# Altium PCB AGRSHUB1_PCB.PcbDoc (part 2 of 2)
Units mil, origin at the board's own origin, x right, y up, seen from the top; angles counter-clockwise.
Board outline 4400 x 3450 mil, 2 copper layers (Top Layer, Bottom Layer); 174 components, 133 nets, 585 pads, 134 vias.
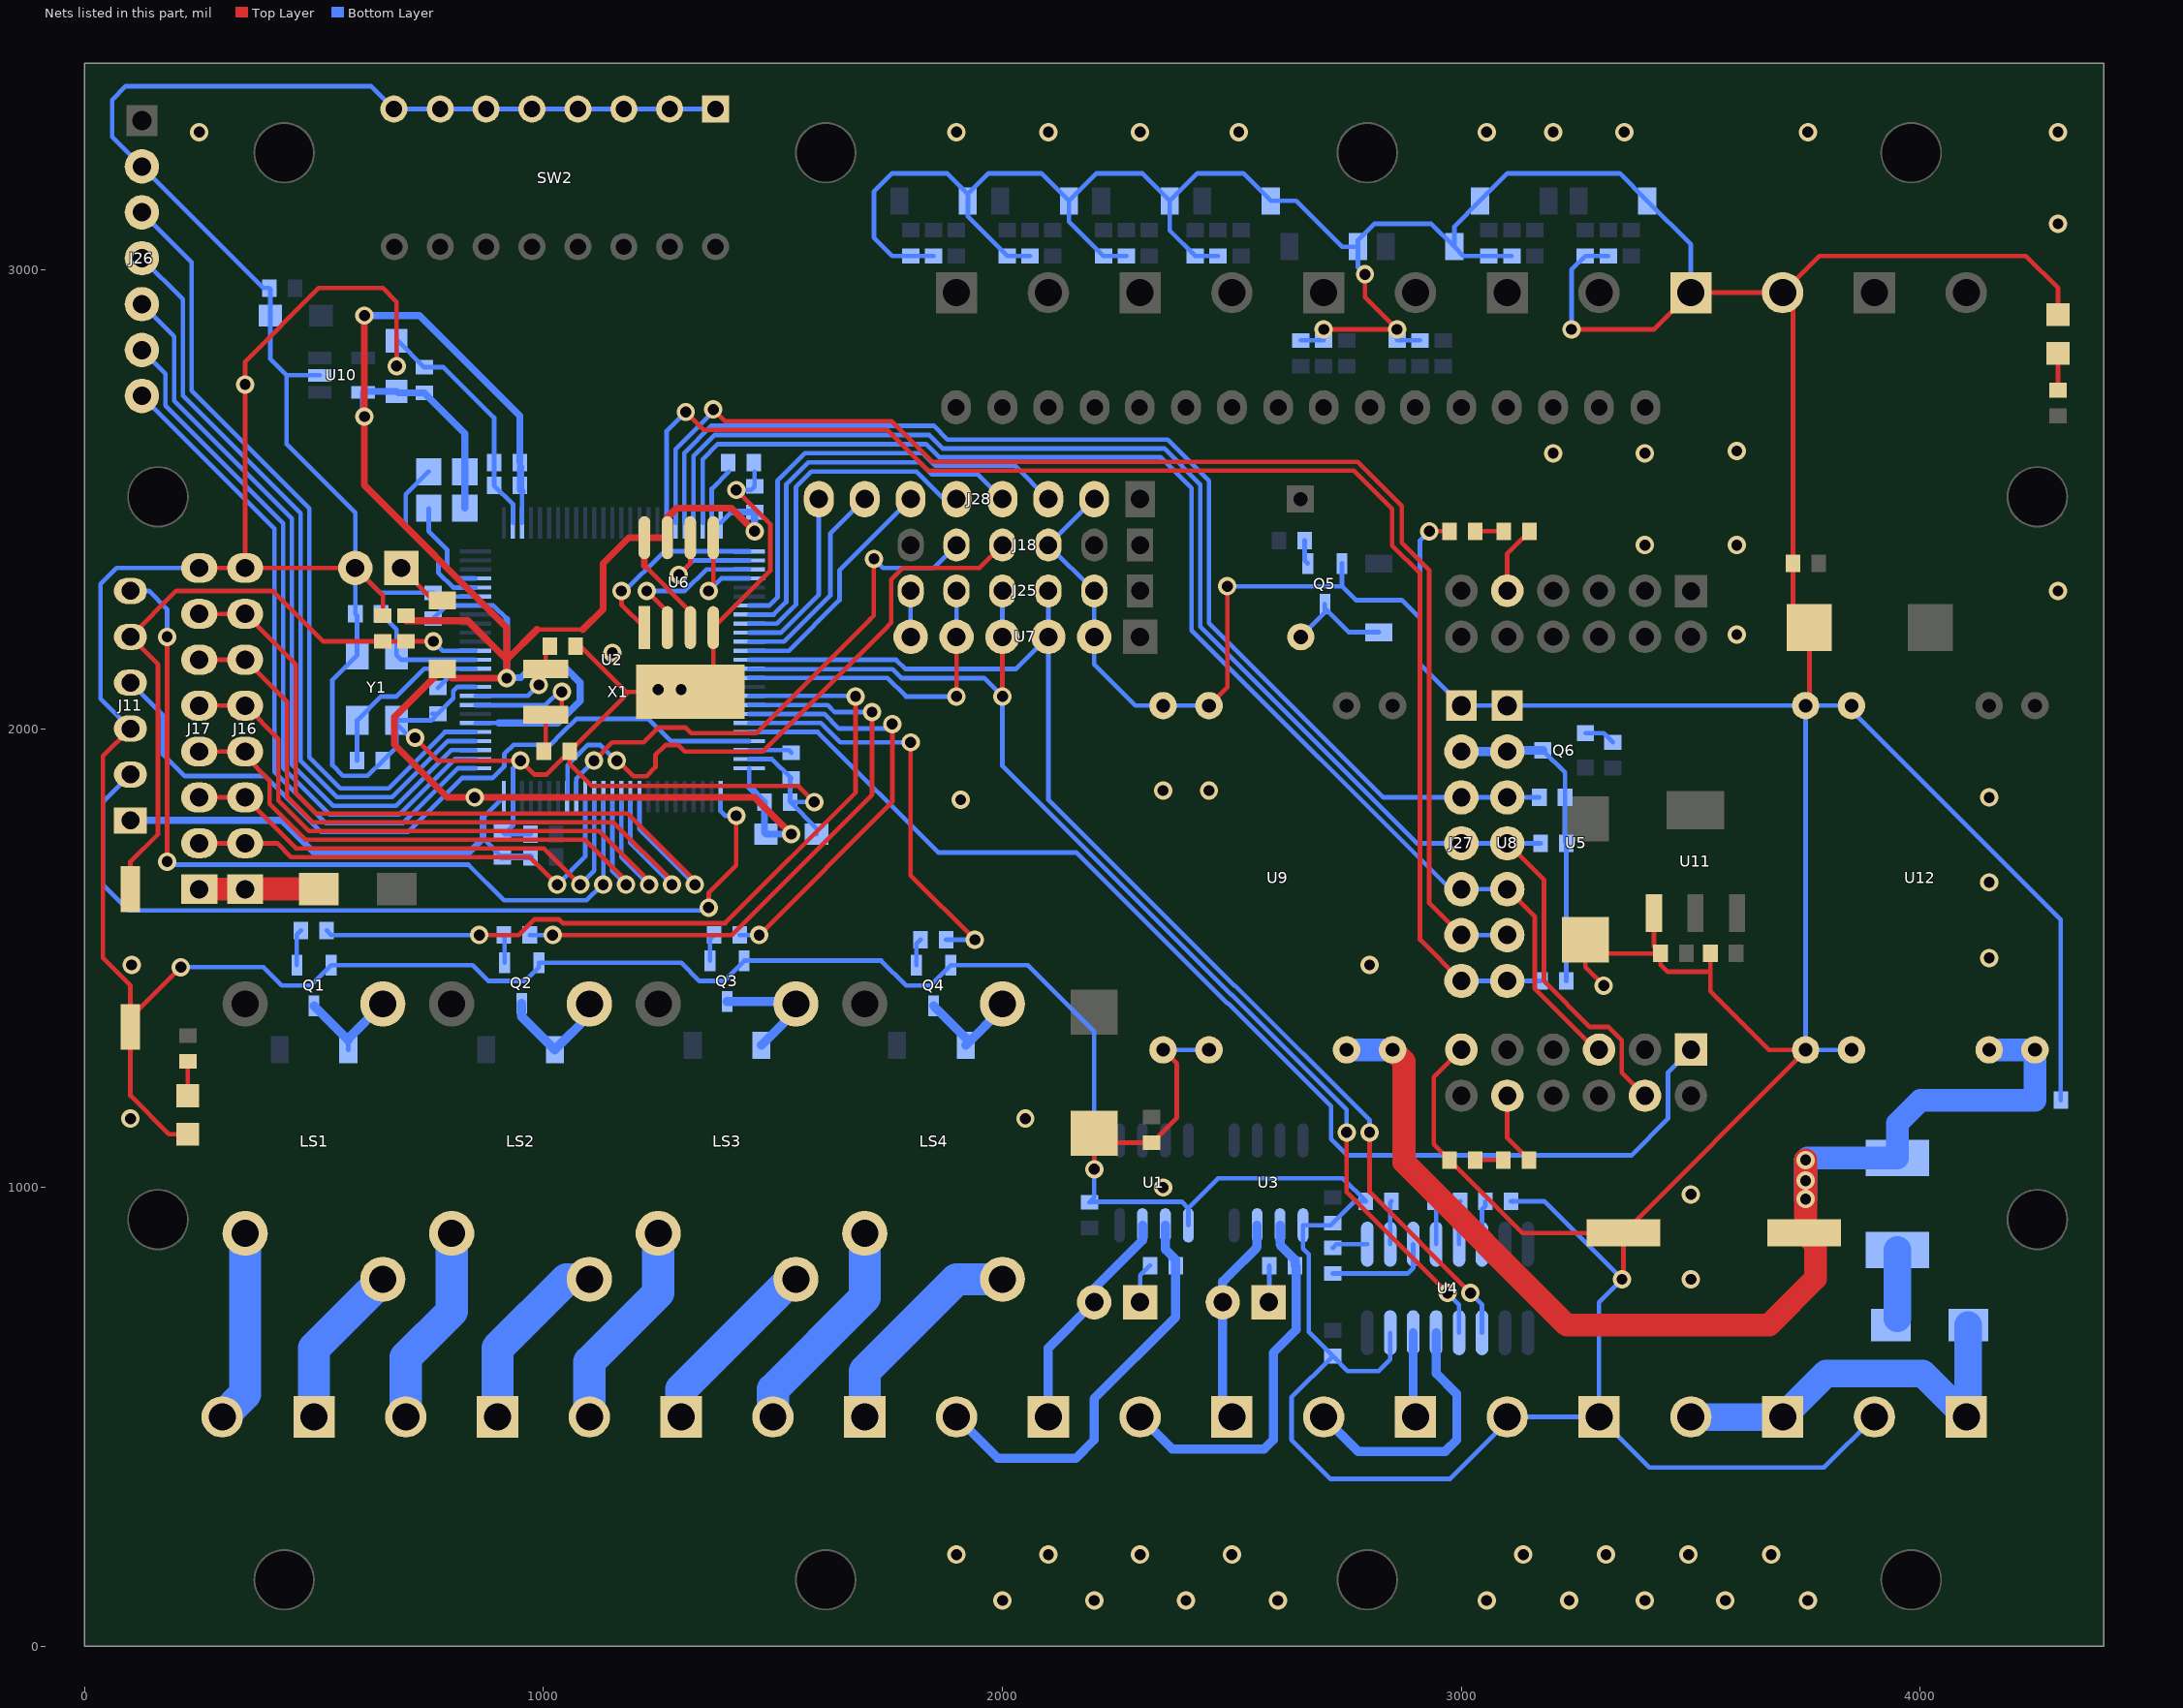
[diagram p2: the nets of this part, all layers, seen from the top]

## Via types
v1: diameter 40, hole 24, Top Layer to Bottom Layer, 134 vias

## Nets (pads, with @x,y where several pads share a name; then routed paths per layer and width w, separated by ;. In a path a pad name is that pad's centre, name@x,y a point inside that pad or via, vN(x,y) a via of type N, cw(c..) or ccw(c..) an arc to the next point about the centre after c; other vN are vias at no path point) (continued)
GND: C1.1 C2.1 C3.1 C4.1 C5.1 C6.1 C7.1 C8.1 C9.1 C10.1 C11.2 C12.2 C13.2 C14.1 C15.2 C16.1 C17.1 C18.1 C19.1 C20.1 C21.1 C22.1 C23.1 C24.2 C26.2 C28.1 C29.1 C30.2 C31.1 C32.2 C33.2 C34.1 C35.1 C36.2 C37.2 C38.1 C39.2 C40.2 C41.1 C42.1 C43.2 D1.1 D2.1 D5.1 D6.1 D9.1 D10.1 D12.1 D13.1 J11.3 J16.8 J17.8 J18.3 J23.1 J23.2 J25.2 J26.2 J27.1 J28.2 J30.2 J32.1 J32.2 JP1.2 LED1.2 LED2.2 LED3.2 LED4.2 Q1.2 Q2.2 Q3.2 Q4.2 Q5.2 R3.1 R4.1 R7.2 R13.1 R14.1 R18.1 R19.1 R23.1 R24.1 SW1.1 SW2.1 SW2.2 SW2.3 SW2.4 SW2.5 SW2.6 SW2.7 SW2.8 U1.5 U2.10 U2.20 U2.27 U2.74 U2.99 U3.5 U4.15 U5.23 U6.4 U7.2 U8.1 U9.1 U9.2 U9.7 U9.8 U10.2 U11.1 U12.1 U12.2 U12.7 U12.8 X1.3 Y1.2 Y1.4 | length 30323.8
  Top Layer w10: J11.3@100,2000 40,1940 40,1500 100,1440 SW1.1@100,1370 ; v1(210,1480) SW1.1@100,1370 ; LED3.2@225,1116 184,1116 100,1200 SW1.1@100,1350 SW1.1@100,1370 ; J17.8@250,2350 J16.8@350,2350 ; C19.1@650,2246 650,2290 JP1.2@590,2350 J16.8@350,2350 ; v1(680,2790) 680,2930 650,2960 510,2960 350,2800 J16.8@350,2350 ; v1(720,1980) 770,1930 v1(950,1930) 980,1900 1006.88,1900 C12.2@1056.88,1950 ; C15.2@1070,2180 1080,2180 1180,2080 ; v1(1420,2520) 1494,2446 1494,2344 U6.4@1370,2220 1370,2130 X1.3@1320,2080 1180,2080 ; v1(1590,1840) 1555,1875 1105,1875 1056.88,1923.12 C12.2@1056.88,1950 ; v1(2200,1040) C30.2@2200,1118.23 2220.79,1097.44 C31.1@2325,1097.44 2380,1152.44 2380,1270 U9.1@2350,1300 ; U9.7@2450,2050 2490,2090 v1(2490,2310) ; v1(2700,2870) v1(2860,2870) 2790,2940 v1(2790,2990) ; v1(2930,2430) LED1.2@2974,2430 ; U5.23@3000,1300.39 2940,1240.39 2940,1094 LED2.2@2974,1060 3133.01,900.99 C43.2@3353.14,900.99 ; v1(3240,2870) 3420,2870 J32.1@3500,2950 J32.2@3700,2950 ; v1(3310,1440) 3270,1480 C37.2@3270,1540 3300,1510 C38.1@3434,1510 ; v1(3350,800) 3353.14,803.14 C43.2@3353.14,900.99 ; U11.1@3419.45,1597.8 3419.45,1524.55 C38.1@3434,1510 ; 3542.44,1470 3450,1470 3434,1486 C38.1@3434,1510 ; C42.1@3542.44,1510 3542.44,1427.56 3670,1300 U12.1@3750,1300 3750,1297.85 C43.2@3353.14,900.99 ; U12.8@3750,2050 3758.23,2058.23 C39.2@3758.23,2220 3722.44,2255.79 C41.1@3722.44,2360 3722.44,2927.56 J32.2@3700,2950 ; LED4.2@4300,2902 4300,2960 4230,3030 3780,3030 J32.2@3700,2950 ; C12.2@1056.88,1950 1180,2073.12 1180,2080
  Bottom Layer w10: J11.3@100,2000 35,2065 35,2315 70,2350 J17.8@250,2350 ; v1(210,1480) 390,1480 430,1440 493.11,1440 Q1.2@537.4,1484.29 845.71,1484.29 880,1450 960,1450 990,1480 Q2.2@990,1490 1300,1490 1340,1450 1393.11,1450 Q3.2@1437.4,1494.29 1735.71,1494.29 1790,1440 1843.11,1440 Q4.2@1887.4,1484.29 2055.71,1484.29 2200,1340 v1(2200,1040) 2200,977.56 C1.1@2191.32,968.88 ; U10.2@512.76,2770 440,2770 ; v1(680,2790) C33.2@680,2845.07 682.49,2845.07 C35.1@740,2787.56 782.44,2787.56 892.44,2677.56 C10.1@892.44,2580 C2.1@892.44,2530 933.46,2488.98 U2.27@933.46,2448.23 ; v1(720,1980) 720,1970 Y1.4@680,2010 ; C7.1@757.56,2032.44 C7.1@770,2032.44 ; U2.10@851.77,2090.94 812.68,2090.94 803.32,2081.59 803.32,2065.76 C7.1@770,2032.44 ; U2.20@851.77,2287.8 768.2,2287.8 C3.1@760,2296 644,2296 JP1.2@590,2350 ; C4.1@910,1775 C4.1@915,1770 ; v1(950,1930) 933.46,1913.46 U2.99@933.46,1851.77 933.46,1788.46 C4.1@915,1770 ; R7.2@971.56,1770 C4.1@915,1770 ; SW2.1@1375,3350 SW2.2@1275,3350 SW2.3@1175,3350 SW2.4@1075,3350 SW2.5@975,3350 SW2.6@875,3350 SW2.7@775,3350 SW2.8@674.21,3350 624.21,3400 90,3400 60,3370 60,3290 J26.2@125,3225 390,2960 C34.1@402.44,2960 404.93,2957.51 C32.2@404.93,2900 404.93,2805.07 440,2770 ; v1(1420,2520) 1452.44,2520 C6.1@1460,2527.56 1460,2560 ; U2.74@1448.23,1933.46 1498.09,1933.46 C13.2@1540,1891.56 1537.56,1889.12 C5.1@1537.56,1840 ; v1(1590,1840) C5.1@1537.56,1840 ; C36.2@1595.07,1770 1595.07,1782.49 C5.1@1537.56,1840 ; R3.1@1850,3030 C8.1@1800,3030 1760,3030 1720,3070 1720,3170 1760,3210 1879.47,3210 D1.1@1924.73,3164.73 ; R4.1@2060,3030 C9.1@2010,3030 2010,3030.8 1924.8,3116 1924.73,3116 D1.1@1924.73,3150 D1.1@1924.73,3164.73 ; C1.1@2190,967.56 C1.1@2191.32,968.88 ; J28.2@2200,2500 J18.3@2100,2400 J25.2@2200,2300 U7.2@2200,2200 2200,2140 2290,2050 U9.8@2350,2050 U9.7@2450,2050 ; R13.1@2270,3030 C17.1@2220,3030 2144.73,3105.27 D2.1@2144.73,3150 ; U9.1@2350,1300 U9.2@2450,1300 ; U1.5@2405,917.48 2405,955 ; R14.1@2470,3030 C18.1@2420,3030 2364.73,3085.27 D5.1@2364.73,3150 ; v1(2490,2310) 2740,2310 ; C22.1@2650,2846 R18.1@2700,2846 v1(2700,2870) ; Q5.2@2740,2360 2740,2310 ; v1(2790,2990) 2774.73,3005.27 D9.1@2774.73,3050 ; U4.15@2845,683.54 2845,625 2820,600 2752.44,600 C21.1@2720,632.44 ; v1(2860,2870) C23.1@2860,2846 R19.1@2910,2846 ; v1(2930,2430) 2910,2410 2910,2240 ; J23.2@3100,500 J23.2@3110,500 ; C26.2@3108.44,970 3180,970 v1(3350,800) 3300,750 J23.1@3300,500 ; R23.1@3110,3030 C28.1@3060,3030 3004.73,3030 D10.1@2984.73,3050 ; v1(3240,2870) 3240,3000 C29.1@3270,3030 R24.1@3320,3030 ; J32.1@3500,2950 3500,3054.73 D13.1@3404.73,3150 3344.73,3210 3100.53,3210 D12.1@3040.53,3150 2984.73,3094.2 D10.1@2984.73,3050 ; U12.2@3850,1300 U12.1@3750,1300 U12.8@3750,2050 ; J30.2@3900,500 3790,390 3410,390 J23.1@3300,500 ; C40.2@4306,1190 4306,1584 3850,2040 U12.7@3850,2050 U12.8@3750,2050 ; 440,2770 440,2620 590,2470 JP1.2@590,2350 ; JP1.2@590,2350 C20.1@590,2250 594,2246 Y1.2@594,2160 540,2106 540,1920 563,1897 617,1897 C16.1@650,1930 680,1960 Y1.4@680,2010 ; Y1.4@680,2010 Y1.4@680,2018 755.56,2018 C7.1@770,2032.44 ; D1.1@1924.73,3164.73 1970,3210 2084.73,3210 D2.1@2144.73,3150 ; D2.1@2144.73,3150 2204.73,3210 2304.73,3210 D5.1@2364.73,3150 ; C1.1@2191.32,968.88 2391.12,968.88 2405,955 ; D5.1@2364.73,3150 2424.73,3210 2524.73,3210 D6.1@2584.73,3150 2640,3150 2740,3050 D9.1@2774.73,3050 ; 2405,955 2470,1020 2741.56,1020 C24.2@2791.56,970 2767.56,970 C14.1@2720,922.44 2715.04,917.48 U3.5@2655,917.48 2655,867.36 2667.56,854.8 2667.56,684.88 C21.1@2720,632.44 ; C21.1@2720,632.44 2630,542.44 2630,450 2715,365 2975,365 J23.2@3110,500 ; 2740,2310 2770,2280 2870,2280 2910,2240 ; D9.1@2774.73,3050 2774.73,3064.73 2810,3100 2934.73,3100 D10.1@2984.73,3050 ; 2910,2240 2910,2140 J27.1@3000,2050 U8.1@3100,2050 U12.8@3750,2050 ; J23.2@3110,500 J23.1@3300,500
  other v1: 2000,100 2200,100 2400,100 2600,100 3055,100 3235,100 3400,100 3575,100 3755,100 1900,200 2100,200 2300,200 2500,200 3135,200 3315,200 3495,200 3675,200 3500,800 3500,985 2350,1000 100,1150 2050,1150 102.68,1485 2800,1485 4150,1500 4150,1665 1909.07,1845 4150,1850 2350,1865 2450,1865 1250,2085 1300,2085 1150,2165 3600,2205 4300,2300 3400,2400 3600,2400 3200,2600 3400,2600 3600,2605 350,2750 4300,3100 250,3300 1900,3300 2100,3300 2300,3300 2515,3300 3055,3300 3200,3300 3355,3300 3755,3300 4300,3300
GPS_EN: J25.5 U2.65 U7.5 | length 698.6
  Top Layer w10: v1(1900,2070) U7.5@1900,2200
  Bottom Layer w10: U2.65@1448.23,2110.63 1448.36,2110.5 1749.5,2110.5 1790,2070 v1(1900,2070) ; U7.5@1900,2200 J25.5@1900,2300
GPS_RX: J25.3 U2.63 U4.11 U7.3 | length 2697.9
  Top Layer w10: v1(2800,1120) 2800,990 v1(3020,770)
  Bottom Layer w10: U2.63@1448.23,2150 1768.5,2150 1788.5,2130 2030,2130 U7.3@2100,2200 ; J25.3@2100,2300 U7.3@2100,2200 ; v1(2800,1120) 2800,1146.58 2507.58,1439 2506,1439 2100,1845 U7.3@2100,2200 ; v1(3020,770) 3045,745 U4.11@3045,683.54
GPS_TX: J25.4 U2.64 U4.12 U7.4 | length 2606.3
  Top Layer w10: v1(2000,2070) U7.4@2000,2200 ; v1(2750,1120) 2750,990 v1(2970,770)
  Bottom Layer w10: U2.64@1448.23,2130.32 1448.91,2129.63 1480.82,2129.63 1480.95,2129.5 1760.5,2129.5 1780,2110 1960,2110 v1(2000,2070) 2000,1918.13 2498.13,1420 2499.71,1420 2750,1169.71 v1(2750,1120) ; U7.4@2000,2200 J25.4@2000,2300 ; v1(2970,770) 2995,745 U4.12@2995,683.54
GSM_AVAI: J16.2 J17.2 U2.91 | length 1034.3
  Top Layer w10: J17.2@250,1750 J16.2@350,1750 420,1750 450,1720 970,1720 v1(1030,1660)
  Bottom Layer w10: v1(1030,1660) 1090.94,1720.94 U2.91@1090.94,1851.77
GSM_DTR: J16.4 J17.4 U2.88 | length 1294.6
  Top Layer w10: J17.4@250,1950 J16.4@350,1950 350,1940 403.5,1886.5 403.5,1835.89 481.39,1758 1090.08,1758 1180,1668.08 v1(1180,1660)
  Bottom Layer w10: U2.88@1150,1851.77 1150,1690 v1(1180,1660)
GSM_KEY: J16.3 J17.3 U2.90 | length 1113.2
  Top Layer w10: J17.3@250,1850 J16.3@350,1850 461,1739 1001,1739 v1(1080,1660)
  Bottom Layer w10: v1(1080,1660) 1110.63,1690.63 U2.90@1110.63,1851.77
GSM_RST: J16.7 J17.7 U2.85 | length 1735
  Top Layer w10: J17.7@250,2250 J16.7@350,2250 460.5,2139.5 460.5,1859.5 505,1815 1183.08,1815 1330,1668.08 v1(1330,1660)
  Bottom Layer w10: U2.85@1209.06,1851.77 1209.06,1780.94 v1(1330,1660)
GSM_RX: J16.6 J17.6 U2.86 | length 1588.2
  Top Layer w10: J17.6@250,2150 J16.6@350,2150 441.5,2058.5 441.5,1851.63 497.13,1796 1152.08,1796 1280,1668.08 v1(1280,1660)
  Bottom Layer w10: U2.86@1189.37,1851.77 1189.37,1750.63 v1(1280,1660)
GSM_TX: J16.5 J17.5 U2.87 | length 1441.4
  Top Layer w10: J17.5@250,2050 J16.5@350,2050 422.5,1977.5 422.5,1843.76 489.26,1777 1121.08,1777 1230,1668.08 v1(1230,1660)
  Bottom Layer w10: U2.87@1169.69,1851.77 1169.69,1720.31 v1(1230,1660)
IN0: J26.3 U2.5 | length 1779.2
  Bottom Layer w10: J26.3@125,3125 233.5,3016.5 233.5,2736.5 490,2480 490,1937.48 557.48,1870 662.52,1870 785.04,1992.52 U2.5@851.77,1992.52
IN1: J26.4 U2.4 | length 1702.5
  Bottom Layer w10: J26.4@125,3025 214.5,2935.5 214.5,2725.5 471,2469 471,1929.61 549.61,1851 670.39,1851 792.22,1972.83 U2.4@851.77,1972.83
IN2: J26.5 U2.3 | length 1625.8
  Bottom Layer w10: J26.5@125,2925 195.5,2854.5 195.5,2714.5 452,2458 452,1921.74 541.74,1832 678.26,1832 799.41,1953.15 U2.3@851.77,1953.15
IN3: J26.6 U2.2 | length 1549.2
  Bottom Layer w10: J26.6@125,2825 176.5,2773.5 176.5,2703.67 176.42,2703.58 433,2447 433,1913.87 533.87,1813 686.13,1813 806.59,1933.46 U2.2@851.77,1933.46
IN4: J26.7 U2.1 | length 1472.5
  Bottom Layer w10: J26.7@125,2725 414,2436 414,1906 526,1794 694,1794 813.78,1913.78 U2.1@851.77,1913.78
LCD_CS: J28.5 U2.59 | length 764
  Bottom Layer w10: U2.59@1448.23,2228.74 1508.74,2228.74 1550,2270 1550,2526.26 1583.74,2560 1812.76,2560 1872.76,2500 J28.5@1900,2500
LCD_DI: J28.6 U2.62 | length 526.7
  Bottom Layer w10: U2.62@1448.23,2169.69 1534.69,2169.69 1645,2280 1645,2345 J28.6@1800,2500
LCD_LIGHT: J28.4 U2.58 | length 872.4
  Bottom Layer w10: U2.58@1448.23,2248.43 1501.56,2248.43 1529,2275.87 1529,2532.13 1576.87,2580 1819.63,2580 1846.13,2553.5 1946.5,2553.5 J28.4@2000,2500
LCD_PWR: J28.3 U2.57 | length 979.4
  Bottom Layer w10: U2.57@1448.23,2268.11 1492,2268.11 1510,2286.11 1510,2540 1570,2600 1826.5,2600 1854,2572.5 2027.5,2572.5 J28.3@2100,2500
LCD_RST: J28.8 U2.60 | length 394.2
  Bottom Layer w10: U2.60@1448.23,2209.06 1517.19,2209.06 1600,2291.87 J28.8@1600,2500
LCD_SCK: J28.7 U2.61 | length 459.5
  Bottom Layer w10: U2.61@1448.23,2189.37 1524.37,2189.37 1625,2290 1625,2425 J28.7@1700,2500
M*A: J12.2 R12.1 U3.6 | length 830
  Bottom Layer w10: R12.1@2637.56,830 R12.1@2640,827.56
  Bottom Layer w20: J12.2@2300,500 2370,430 2570,430 2590,450 2590,640 2640,690 R12.1@2640,827.56 ; U3.6@2605,917.48 2605,875 2637.56,842.44 R12.1@2637.56,830
M*B: J12.1 U3.7 W3.2 | length 456.9
  Bottom Layer w20: J12.1@2500,500 2480,520 W3.2@2480,750 2480,795 2496,811 2496.15,811 2551.56,866.4 2551.56,866.56 2555,870 U3.7@2555,917.48
NetB1_1: B1.1 U2.22 | length 219.2
  Bottom Layer w10: B1.1@750,2480 750,2430 790,2390 790,2347.67 810.5,2327.17 U2.22@851.77,2327.17
NetB2_1: B2.1 U2.21 | length 364.5
  Bottom Layer w10: B2.1@750,2560 700,2510 700,2440 771,2369 771,2339.8 803.32,2307.48 U2.21@851.77,2307.48
NetBUZZ1_2: BUZZ1.2 D15.1 Q5.3 | length 232.1
  Bottom Layer w10: BUZZ1.2@2650,2200 2702.6,2252.6 Q5.3@2702.6,2262.01 ; Q5.3@2702.6,2271.42 Q5.3@2702.6,2262.01 ; D15.1@2820,2210 2754.61,2210 Q5.3@2702.6,2262.01
NetC11_1: C11.1 U2.49 | length 127.3
  Bottom Layer w10: U2.49@1366.54,2448.23 1366.54,2522.54 1404,2560
NetC12_1: C12.1 U2.8 X1.1 | length 358.4
  Top Layer w10: C12.1@1000.88,1950 1005.04,1954.16 X1.1@1005.04,2030 1025.04,2030 1040,2044.96 v1(1040,2080)
  Bottom Layer w10: U2.8@851.77,2051.57 852.35,2051 1004.13,2051 1033.13,2080 v1(1040,2080)
NetC13_1: C13.1 U2.73 | length 94.1
  Bottom Layer w10: U2.73@1448.23,1953.15 1534.41,1953.15 C13.1@1540,1947.56
NetC15_1: C15.1 U2.9 X1.2 | length 243
  Top Layer w10: v1(990,2095) 990,2114.96 X1.2@1005.04,2130 1005.04,2171.04 C15.1@1014,2180
  Bottom Layer w10: U2.9@851.77,2071.26 966.26,2071.26 v1(990,2095)
NetC16_2: C16.2 U2.12 Y1.1 | length 392.3
  Bottom Layer w10: C16.2@594,1930 Y1.1@594,2018 646,2070 680,2070 740.32,2130.32 U2.12@851.77,2130.32
NetC20_2: C20.2 U2.13 Y1.3 | length 280
  Bottom Layer w10: C20.2@646,2250 680,2216 Y1.3@680,2160 690,2150 U2.13@851.77,2150
NetC24_1: C24.1 U4.2 | length 94.6
  Bottom Layer w10: U4.2@2845,876.46 2845,967.44 C24.1@2847.56,970
NetC25_1: C25.1 U4.3 | length 231.7
  Bottom Layer w10: C25.1@2720,812.44 2882.44,812.44 2895,825 U4.3@2895,876.46
NetC25_2: C25.2 U4.1 | length 78.3
  Bottom Layer w10: C25.2@2720,868.44 2728.02,876.46 U4.1@2795,876.46
NetC26_1: C26.1 U4.6 | length 96.6
  Bottom Layer w10: U4.6@3045,876.46 3045,952.56 3052.44,960 C26.1@3052.44,970
NetC27_1: C27.1 U4.5 | length 94.6
  Bottom Layer w10: U4.5@2995,876.46 2995,967.44 C27.1@2997.56,970
NetC27_2: C27.2 U4.4 | length 95
  Bottom Layer w10: C27.2@2941.56,970 2945,966.56 U4.4@2945,876.46
NetD3_1: D3.1 JP1.1 | length 119.2
  Top Layer w10: JP1.1@690,2350 760.53,2279.47 D3.1@780,2279.47
NetD4_1: D4.1 LS1.2 Q1.3 | length 236.9
  Bottom Layer w10: D4.1@574.73,1300 574.73,1320.98 D4.1@574.73,1324.73
  Bottom Layer w20: Q1.3@500,1395.71 D4.1@574.73,1320.98 ; D4.1@574.73,1324.73 LS1.2@650,1400
NetD7_1: D7.1 LS2.2 Q2.3 | length 262.5
  Bottom Layer w10: LS2.2@1100,1375.27 LS2.2@1100,1400
  Bottom Layer w20: Q2.3@952.6,1401.42 952.6,1372.13 D7.1@1024.73,1300 LS2.2@1100,1375.27
NetD8_2: D8.2 J16.1 J17.1 | length 260.4
  Top Layer w10: J16.1@350,1650 J16.1@350.87,1650.87
  Top Layer w50: J17.1@250,1650 J16.1@350,1650 ; J16.1@350.87,1650.87 D8.2@510,1650.87
NetD11_1: D11.1 LS3.2 Q3.3 | length 276.6
  Bottom Layer w10: LS3.2@1536.92,1405.71 LS3.2@1550,1392.63 ; LS3.2@1550,1385.27 LS3.2@1550,1392.63 ; LS3.2@1550,1400 LS3.2@1550,1392.63
  Bottom Layer w20: Q3.3@1400,1405.71 LS3.2@1536.92,1405.71 ; D11.1@1474.73,1310 LS3.2@1550,1385.27
NetD14_1: D14.1 LS4.2 Q4.3 | length 237.8
  Bottom Layer w10: D14.1@1920,1310 D14.1@1920,1325.71 ; LS4.2@2000,1390 LS4.2@2000,1400
  Bottom Layer w20: Q4.3@1850,1395.71 D14.1@1920,1325.71 ; D14.1@1920,1310 LS4.2@2000,1390
NetD16_2: D16.2 PPTC1.1 | length 169.7
  Bottom Layer w10: D16.2@3935.43,700 D16.2@3950,714.57
  Bottom Layer w60: D16.2@3950,714.57 PPTC1.1@3950,863.7
NetJ4_1: J4.1 LS1.4 | length 362.1
  Bottom Layer w70: J4.1@500,500 500,650 LS1.4@650,800
NetJ4_2: J4.2 LS1.3 | length 420.7
  Bottom Layer w70: J4.2@300,500 350,550 LS1.3@350,900
NetJ13_1: J13.1 LS2.4 | length 412.1
  Bottom Layer w70: J13.1@900,500 900,650 1050,800 LS2.4@1100,800
NetJ13_2: J13.2 LS2.3 | length 441.4
  Bottom Layer w70: J13.2@700,500 700,630 800,730 LS2.3@800,900
NetJ19_1: J19.1 LS3.4 | length 409.4
  Bottom Layer w70: J19.1@1300,500 1300,560 1540,800 LS3.4@1550,800
NetJ19_2: J19.2 LS3.3 | length 462.1
  Bottom Layer w70: J19.2@1100,500 1100,620 1250,770 LS3.3@1250,900
NetJ24_1: J24.1 LS4.4 | length 482.8
  Bottom Layer w70: J24.1@1700,500 1700,600 1900,800 LS4.4@2000,800
NetJ24_2: J24.2 LS4.3 | length 482.8
  Bottom Layer w70: J24.2@1500,500 1500,560 1700,760 LS4.3@1700,900
NetJ25_6: J25.6 U7.6 | length 100
  Bottom Layer w10: U7.6@1800,2200 J25.6@1800,2300
NetJ27_2: J27.2 Q6.3 R30.2 R31.2 R32.2 U8.2 | length 702.3
  Bottom Layer w10: U8.2@3100,1950 U8.2@3102.6,1952.6 ; Q6.3@3177.48,1952.6 3226,1904.08 R30.2@3226,1850 3226,1752.44 R31.2@3228.44,1750 R32.2@3228.44,1450
  Bottom Layer w20: J27.2@3000,1950 U8.2@3100,1950 ; U8.2@3102.6,1952.6 Q6.3@3177.48,1952.6
NetLED1_1: LED1.1 R26.1 | length 62.4
  Top Layer w10: LED1.1@3030,2430 R26.1@3092.44,2430
NetLED2_1: LED2.1 R28.2 | length 61.6
  Top Layer w10: LED2.1@3030,1060 R28.2@3091.56,1060
NetLED3_1: LED3.1 R33.1 | length 75
  Top Layer w10: LED3.1@225,1200 R33.1@225,1275
NetLED4_1: LED4.1 R34.1 | length 80.4
  Top Layer w10: R34.1@4300,2737.56 LED4.1@4300,2818
NetQ1_1: Q1.1 R8.2 | length 79.4
  Bottom Layer w10: Q1.1@462.6,1484.29 462.6,1551.04 R8.2@471.56,1560
NetQ2_1: Q2.1 R15.2 | length 60.5
  Bottom Layer w10: R15.2@914,1550 915.2,1548.8 Q2.1@915.2,1490
NetQ3_1: Q3.1 R22.2 | length 59.4
  Bottom Layer w10: Q3.1@1362.6,1494.29 1362.6,1541.04 R22.2@1371.56,1550
NetQ4_1: Q4.1 R25.2 | length 59.4
  Bottom Layer w10: Q4.1@1812.6,1484.29 1812.6,1531.04 R25.2@1821.56,1540
NetQ5_1: Q5.1 R27.2 | length 52.8
  Bottom Layer w10: R27.2@2658.44,2410 2658.44,2366.76 Q5.1@2665.2,2360
NetR5_2: R5.2 W1.1 | length 88.9
  Bottom Layer w10: W1.1@2300,750 2300,808.44 R5.2@2321.56,830
NetR12_2: R12.2 W3.1 | length 80.6
  Bottom Layer w10: W3.1@2580,750 2581.56,751.56 R12.2@2581.56,830
NetR26_2: R26.2 U5.9 | length 149.7
  Top Layer w10: U5.9@3100,2300.39 3100,2381.56 R26.2@3148.44,2430
NetR28_1: R28.1 U5.22 | length 159.7
  Top Layer w10: U5.22@3100,1200 3100,1107.56 R28.1@3147.56,1060
NRST: C19.2 J11.5 R11.1 SW1.2 U2.14 | length 1446.9
  Top Layer w10: SW1.2@100,1650 100,1710 160,1770 160,2140 J11.5@100,2200 200,2300 410,2300 520,2190 C19.2@650,2190 R11.1@700,2190 v1(760,2190)
  Bottom Layer w10: v1(760,2190) 780.31,2169.69 U2.14@851.77,2169.69
REL0: R8.1 U2.67 | length 1733.9
  Top Layer w10: v1(860,1550) 946,1550 980,1584 1034.08,1584 1042.08,1576 1396,1576 1680,1860 v1(1680,2070)
  Bottom Layer w10: R8.1@527.56,1560 537.56,1550 v1(860,1550) ; U2.67@1448.23,2071.26 1678.74,2071.26 v1(1680,2070)
REL1: R15.1 U2.68 | length 1327
  Top Layer w10: v1(1020,1550) 1410,1550 1716,1856 v1(1716,2036)
  Bottom Layer w10: R15.1@970,1550 v1(1020,1550) ; U2.68@1448.23,2051.57 1619.04,2051.57 1634.61,2036 v1(1716,2036)
REL2: R22.1 U2.69 | length 951.7
  Top Layer w10: v1(1470,1550) 1760,1840 v1(1760,2010)
  Bottom Layer w10: R22.1@1427.56,1550 v1(1470,1550) ; U2.69@1448.23,2031.89 1611.85,2031.89 1643.74,2000 1750,2000 v1(1760,2010)
REL3: R25.1 U2.70 | length 919.7
  Top Layer w10: v1(1800,1970) 1800,1680 v1(1940,1540)
  Bottom Layer w10: U2.70@1448.23,2012.2 1604.67,2012.2 1646.87,1970 v1(1800,1970) ; R25.1@1877.56,1540 v1(1940,1540)
RF_AUX: J27.6 U2.45 U8.6 | length 2957.1
  Top Layer w10: v1(1370,2695.31) 1395.3,2670 1758.13,2670 1847.13,2581 2774,2581 2870,2485 2870,2405 2930,2345 2930,1620 J27.6@3000,1550
  Bottom Layer w10: U2.45@1287.8,2448.23 1287.8,2608.41 1370,2690.61 v1(1370,2695.31) ; J27.6@3000,1550 U8.6@3100,1550
RF_EN: Q6.1 R29.1 | length 68.3
  Bottom Layer w10: Q6.1@3270,1990 3310,1990 R29.1@3330,1970
RF_RX: J27.4 R31.1 U2.47 U5.16 U8.4 | length 3258.2
  Top Layer w10: U8.4@3100,1750 3180,1670 3180,1450 3280.17,1349.83 3320.48,1349.83 3349.43,1320.87 3349.43,1250.57 U5.16@3400,1200
  Bottom Layer w10: U2.47@1327.17,2448.23 1327.17,2594.04 1373.13,2640 1840.24,2640 1869.74,2610.5 2352.63,2610.5 2431,2532.13 2431,2222.13 2903.13,1750 J27.4@3000,1750 U8.4@3100,1750 R31.1@3172.44,1750
RF_SETA: J27.3 R30.1 U2.46 U8.3 | length 2557.4
  Bottom Layer w10: U2.46@1307.48,2448.23 1307,2448.71 1307,2600.74 1366.26,2660 1850,2660 1880,2630 2360,2630 2450,2540 2450,2230 2830,1850 J27.3@3000,1850 U8.3@3100,1850 R30.1@3170,1850
RF_SETB: J27.7 R32.1 U2.44 U8.7 | length 3149.6
  Top Layer w10: v1(1310,2690) 1349,2651 1749,2651 1838,2562 2766.13,2562 2849.06,2479.07 2849.06,2399.07 2910,2338.13 2910,1540 J27.7@3000,1450
  Bottom Layer w10: U2.44@1268.11,2448.23 1268.11,2648.11 v1(1310,2690) ; J27.7@3000,1450 U8.7@3100,1450 R32.1@3172.44,1450
RF_TX: J27.5 U2.48 U5.17 U8.5 | length 2925.6
  Top Layer w10: U8.5@3100,1650 3160,1590 3160,1433.13 3292.74,1300.39 U5.17@3300,1300.39
  Bottom Layer w10: U2.48@1346.85,2448.23 1346.85,2586.85 1380,2620 1833.37,2620 1861.87,2591.5 2344.76,2591.5 2412,2524.26 2412,2214.26 2976.26,1650 J27.5@3000,1650 U8.5@3100,1650
RS232_RX*: J20.1 U4.14 | length 185.6
  Bottom Layer w10: J20.1@2895,505 J20.1@2900,500
  Bottom Layer w20: J20.1@2895,505 U4.14@2895,683.54
RS232_TX*: J20.2 U4.13 | length 583.6
  Bottom Layer w20: J20.2@2700,500 2775,425 2965,425 2990,450 2990,550 2945,595 U4.13@2945,683.54
S*A: J7.2 R5.1 U1.6 | length 904.2
  Bottom Layer w20: J7.2@1900,500 1990,410 2160,410 2200,450 2200,540 2377.56,717.56 R5.1@2377.56,830 2377.56,842.44 2355,865 U1.6@2355,917.48
S*B: J7.1 U1.7 W1.2 | length 502.4
  Bottom Layer w10: W1.2@2200,750 W1.2@2200,780
  Bottom Layer w20: J7.1@2100,500 2100,650 W1.2@2200,750 ; W1.2@2200,780 2305,885 U1.7@2305,917.48
SPI2_SCK: U2.52 U6.6 | length 257.6
  Top Layer w10: v1(1295,2335) 1320,2360 U6.6@1320,2416
  Bottom Layer w10: v1(1295,2335) 1326.54,2366.54 U2.52@1448.23,2366.54
SPI2_SI: U2.54 U6.5 | length 219.6
  Top Layer w10: v1(1360,2300) 1370,2310 U6.5@1370,2416
  Bottom Layer w10: v1(1360,2300) 1387.17,2327.17 U2.54@1448.23,2327.17
SPI2_SO: U2.53 U6.2 | length 341.3
  Top Layer w10: v1(1225,2300) 1270,2255 U6.2@1270,2220
  Bottom Layer w10: v1(1225,2300) 1308.08,2300 1354.93,2346.85 U2.53@1448.23,2346.85
SST_CS: U2.51 U6.1 | length 424.4
  Top Layer w10: v1(1170,2300) 1170,2270 U6.1@1220,2220
  Bottom Layer w10: v1(1170,2300) 1170,2293.08 1263.14,2386.22 U2.51@1448.23,2386.22
SWCLK: J11.2 U2.76 | length 1905.5
  Top Layer w10: v1(1360,1610) 1360,1641.92 1420,1701.92 v1(1420,1810)
  Bottom Layer w10: J11.2@100,1900 40,1840 40,1660 96.5,1603.5 1353.5,1603.5 v1(1360,1610) ; U2.76@1386.22,1851.77 1386.22,1820 1396.22,1810 v1(1420,1810)
SWDIO: J11.4 U2.72 | length 1670.2
  Bottom Layer w10: J11.4@100,2100 170,2030 170,1945 218.5,1896.5 393.5,1896.5 515,1775 705,1775 822.23,1892.23 889,1892.23 914.46,1917.7 914.46,1944.46 935,1965 1015,1965 1040.7,1990.7 1041.11,1990.7 1071.41,2021 1229,2021 1277.17,1972.83 U2.72@1448.23,1972.83
SWO: J11.6 U2.89 | length 1845.5
  Top Layer w10: v1(180,1710) v1(180,2200)
  Bottom Layer w10: J11.6@100,2300 140,2300 180,2260 v1(180,2200) ; v1(180,1710) 176.5,1703.5 836.5,1703.5 914,1626 1094.08,1626 1128.08,1660 v1(1130,1660) 1130.32,1660.31 U2.89@1130.32,1851.77
UART1_RX: J18.4 U2.93 | length 1354.6
  Top Layer w10: v1(1160,1930) 1161.92,1930 1195.92,1896 1224.08,1896 1244,1915.92 1244,1942.08 1265.92,1964 1294.08,1964 1308.08,1950 1478.13,1950 1748.5,2220.37 1748.5,2221.33 1757.5,2230.33 1757.5,2325.1 1782.4,2350 1950,2350 J18.4@2000,2400
  Bottom Layer w10: U2.93@1051.57,1851.77 1052.26,1852.46 1052.26,1920.34 1095.92,1964 1124.08,1964 1158.08,1930 v1(1160,1930)
UART1_TX: J18.5 U2.92 | length 1178.3
  Top Layer w10: v1(1110,1930) 1150,1970 1218.18,1970 1250.18,2002 1309.82,2002 1321.82,1990 1464.39,1990 1710.5,2236.11 1710.5,2237.07 1719.5,2246.07 1719.5,2369.5 v1(1720,2370)
  Bottom Layer w10: U2.92@1071.26,1851.77 1071.26,1891.26 v1(1110,1930) ; v1(1720,2370) 1740,2350 1850,2350 J18.5@1900,2400
VCC3V3: B1.2 B2.2 C2.2 C3.2 C4.2 C5.2 C6.2 C7.2 C10.2 C33.1 C35.2 C36.1 D3.2 J11.1 R6.2 R11.2 U2.6 U2.11 U2.19 U2.28 U2.50 U2.75 U2.100 U6.3 U6.7 U6.8 U10.5 | length 7022.4
  Top Layer w10: 986,2216 1086,2216 ; 1220,2355 U6.3@1320,2255
  Top Layer w15: v1(610,2900) v1(610,2680) 610,2530 920,2220 920,2150 ; R11.2@700,2246 700,2235 835,2235 920,2150 ; 986,2216 920,2150 ; 1086,2216 1130,2260 1130,2360 1186,2416 U6.8@1220,2416 ; 1220,2355 U6.8@1220,2416 ; U6.3@1320,2220 U6.3@1320,2255 ; v1(1460,2430) 1410,2480 1290,2480 1270,2460 U6.7@1270,2416 U6.8@1220,2416 ; v1(1540,1770) 1460,1850 790,1850 675,1965 675,2025 D3.2@780,2130 800,2110 v1(920,2110) 920,2150
  Bottom Layer w10: C3.2@760,2240 788.11,2268.11 U2.19@851.77,2268.11 890.86,2268.11 920,2238.97 ; C7.2@770,2088.44 792.19,2110.63 U2.11@851.77,2110.63 v1@920,2110.63 ; v1@851.77,1851.77 U2.100@913.78,1851.77 868.44,1806.43 ; U2.6@851.77,2012.2 902.2,2012.2 ; 868.44,1760.56 C4.2@910,1719 ; U2.28@953.15,2448.23 C2.2@953.15,2516.85 ; U2.50@1386.22,2448.23 1409.55,2471.56 ; 1448.23,1873.33 U2.75@1448.23,1913.78
  Bottom Layer w15: J11.1@100,1800 430,1800 500,1730 837.88,1730 868.44,1760.56 868.44,1806.43 ; v1(610,2680) 607.24,2682.76 U10.5@607.24,2732.6 609.58,2734.93 C33.1@680,2734.93 683.37,2731.56 C35.2@740,2731.56 828.74,2642.82 B2.2@828.74,2560 B1.2@828.74,2480 ; v1(610,2900) 730,2900 948.44,2681.56 C10.2@948.44,2580 ; v1(850,1850) v1@851.77,1851.77 ; 902.2,2012.2 1032.2,2012.2 1080,2060 1080,2100 1048.5,2131.5 971.5,2131.5 950.63,2110.63 920,2110.63 920,2238.97 ; C4.2@910,1719 911,1720 R6.2@971.56,1720 ; C10.2@950,2570 950,2520 C2.2@953.15,2516.85 ; 1409.55,2471.56 C6.2@1460,2471.56 v1(1460,2430) ; 1448.23,1873.33 C5.2@1481.56,1840 1481.56,1773.37 C36.1@1484.93,1770 v1(1540,1770)
VIN: D16.1 J29.1 J29.2 J30.1 | length 880.6
  Bottom Layer w10: J30.1@4100,500 J30.1@4104.57,504.57
  Bottom Layer w60: J29.2@3500,500 J29.1@3700,500 3795,595 4005,595 J30.1@4100,500 ; J30.1@4104.57,504.57 D16.1@4104.57,700
VPOW: C40.1 C43.1 PPTC1.2 U9.3 U9.4 U12.3 U12.4 | length 2570.7
  Top Layer w50: U9.4@2850,1300 2875,1275 2875,1055 3230,700 3670,700 3771.63,801.63 3771.63,875.99 C43.1@3746.63,900.99 ; 3750,933.37 v1(3750,1060)
  Bottom Layer w50: U9.3@2750,1300 U9.4@2850,1300 ; v1(3750,975) v1(3750,1060) 3754.3,1064.3 PPTC1.2@3950,1064.3 3950,1140 4000,1190 C40.1@4250,1190 U12.4@4250,1300 U12.3@4150,1300
  other v1: 3750,1015
ZIG_NRST: U2.71 U5.13 | length 2629.7
  Bottom Layer w10: U2.71@1448.23,1992.52 1597.48,1992.52 1860,1730 2161.26,1730 2490.26,1401 2491.84,1401 2716,1176.84 2716,1105.92 2751.92,1070 3370,1070 3450,1150 3450,1250.39 U5.13@3500,1300.39
pads on no net: H1.1 H2.1 H3.1 H4.1 H5.1 H6.1 H7.1 H8.1 H9.1 H10.1 H11.1 H12.1 U2.7 U2.15 U2.16 U2.17 U2.18 U2.33 U2.34 U2.55 U2.56 U2.66 U2.81 U2.84 U2.97 U2.98 U4.7 U4.8 U4.9 U4.10 U5.1 U5.2 U5.3 U5.4 U5.5 U5.6 U5.7 U5.8 U5.10 U5.11 U5.12 U5.14 U5.15 U5.18 U5.19 U5.20 U5.21 U10.4
copper on no net: | length 15700
  Top Layer w10: 0,0 4400,0 4400,3450 0,3450 0,0

## Polygon pours and split planes (outlines as drawn)
GND on Top Layer "Bottom Layer-No Net" (hatched 90Degree grid 20 track 10, pour order 2): 25,3425 4375,3425 4375,25 1825,25 1825,500 1925,600 1975,650 2050,650 2125,725 2125,1025 2075,1075 25,1075
GND on Bottom Layer "Bottom Layer-No Net" (hatched 90Degree grid 20 track 10, pour order 2): 25,3420 4375,3420 4375,20 1825,20 1825,495 1925,595 1975,645 2050,645 2125,720 2125,1020 2075,1070 25,1070

## Other copper
Top Layer:
  region net 3V3: 3480,1665 3420,1725 3425,1730 3480,1730
  region net 3V3: 3440,2000 3240,2000 3210,1970 3210,1750 3240,1720 3520,1720 3440,1800
  region net 3V3: 3440,2000 3440,1780 3480,1740 3480,1560 3550,1560 3550,1657.28 3612.72,1720 3740,1720 3770,1750 3770,1960 3730,2000
Bottom Layer:
  pour cut-out: 3980,740 4060,740 4060,620 3980,620
  pour cut-out: 3860,1020 4040,1020 4040,910 3860,910
  text "DEMETER SensorHUB V1.0 2015" at 1910,1120 h60

## Silkscreen, mask and mechanical layers (free items; w line width, h text height)
Mechanical 2:
  circle w0.5: c-472.83,1721.13 r177.17
  circle w0.5: c-472.83,1721.13 r78.74
  circle w0.5: c4881.51,1721.13 r177.17
  circle w0.5: c4881.51,1721.13 r78.74
  circle w0.5: c3976,3256.57 r49.21
  circle w0.5: c3976,3256.57 r118.11
  circle w0.5: c2794.89,3256.57 r49.21
  circle w0.5: c2794.89,3256.57 r118.11
  circle w0.5: c1613.79,3256.57 r49.21
  circle w0.5: c1613.79,3256.57 r118.11
  circle w0.5: c432.69,146.33 r49.21
  circle w0.5: c432.69,146.33 r118.11
  circle w0.5: c4251.59,933.73 r49.21
  circle w0.5: c4251.59,933.73 r118.11
  circle w0.5: c157.1,933.73 r49.21
  circle w0.5: c157.1,933.73 r118.11
  circle w0.5: c157.1,2508.53 r49.21
  circle w0.5: c157.1,2508.53 r118.11
  circle w0.5: c4251.59,2508.53 r49.21
  circle w0.5: c4251.59,2508.53 r118.11
  circle w0.5: c432.69,3256.57 r49.21
  circle w0.5: c432.69,3256.57 r118.11
  circle w0.5: c1613.79,146.33 r49.21
  circle w0.5: c1613.79,146.33 r118.11
  circle w0.5: c2794.89,146.33 r49.21
  circle w0.5: c2794.89,146.33 r118.11
  circle w0.5: c3976,146.33 r49.21
  circle w0.5: c3976,146.33 r118.11
  circle w0.5: c-531.88,3354.99 r78.74
  circle w0.5: c4940.56,3354.99 r78.74
  circle w0.5: c4940.56,64.61 r78.74
  circle w0.5: c-531.88,87.27 r78.74
  lines w0.5: -577.1,418.85 ccw(c-630.31,808.94) -236.6,808.94 -236.6,1307.75 ccw(c-433.45,1307.75) -433.45,1504.6 -472.83,1504.6 cw(c-472.83,1721.13) -472.83,1937.67 -433.45,1937.67 ccw(c-433.45,2134.52) -236.6,2134.52 -236.6,2633.32 ccw(c-630.31,2633.32) -577.1,3023.41 cw(c-531.88,3354.99) -531.88,3689.64 4940.56,3689.64 cw(c4940.56,3354.99) 4985.79,3023.41 ccw(c5038.99,2633.32) 4645.29,2633.32 4645.29,2134.52 ccw(c4842.14,2134.52) 4842.14,1937.67 4881.51,1937.67 cw(c4881.51,1721.13) 4881.51,1504.6 4842.14,1504.6 ccw(c4842.14,1307.75) 4645.29,1307.75 4645.29,808.94 ccw(c5038.99,808.94) 4985.79,418.85 cw(c4940.56,87.27) 4940.56,-247.37 -531.88,-247.37 cw(c-531.88,87.27) -577.1,418.85 ; -189.36,-3.28 ccw(c7.49,-3.28) 7.49,-200.13 4401.19,-200.13 ccw(c4401.19,-3.28) 4598.04,-3.28 4598.04,3445.54 ccw(c4401.19,3445.54) 4401.19,3642.39 7.49,3642.39 ccw(c7.49,3445.54) -189.36,3445.54 -189.36,-3.28 ; -138.39,-3.28 ccw(c7.49,-3.28) 7.49,-149.16 4401.19,-149.16 ccw(c4401.19,-3.28) 4547.08,-3.28 4547.08,3445.54 ccw(c4401.19,3445.54) 4401.19,3591.42 7.49,3591.42 ccw(c7.49,3445.54) -138.39,3445.54 -138.39,-3.28

## Text inside footprints (layer, text, board x,y; h text height)
BUZZ1: Top Overlay "+" at 2621.5,2444.5 h60 r270
J11: Top Overlay "1" at 150,1675 h56.25 r90
J16: Top Overlay "1" at 400,1525 h56.25 r90
J17: Top Overlay "1" at 300,1525 h56.25 r90
J18: Top Overlay "1" at 2425,2450 h56.25 r180
J25: Top Overlay "1" at 2425,2350 h56.25 r180
J26: Top Overlay "1" at 75,3425 h56.25 r270
J27: Top Overlay "1" at 2950,2150 h56.25 r270
J28: Top Overlay "1" at 2425,2550 h56.25 r180
SW2: Top Overlay "ON" at 1394.56,3115.06 h40 r180
U5: Top Overlay "J1" at 3479.33,2009.06 h60; Top Overlay "J2" at 3446.85,1441.14 h60; Top Overlay "ZigBee Module" at 3003.94,1854.53 h60
U8: Top Overlay "1" at 3050,2150 h56.25 r270